# Altium PCB PCB1.PcbDoc (part 3 of 3)
Units mm, origin at the board's own origin, x right, y up, seen from the top; angles counter-clockwise.
Board outline 92.46 x 92.46 mm, 2 copper layers (Top Layer, Bottom Layer); 132 components, 140 nets, 526 pads, 112 vias.
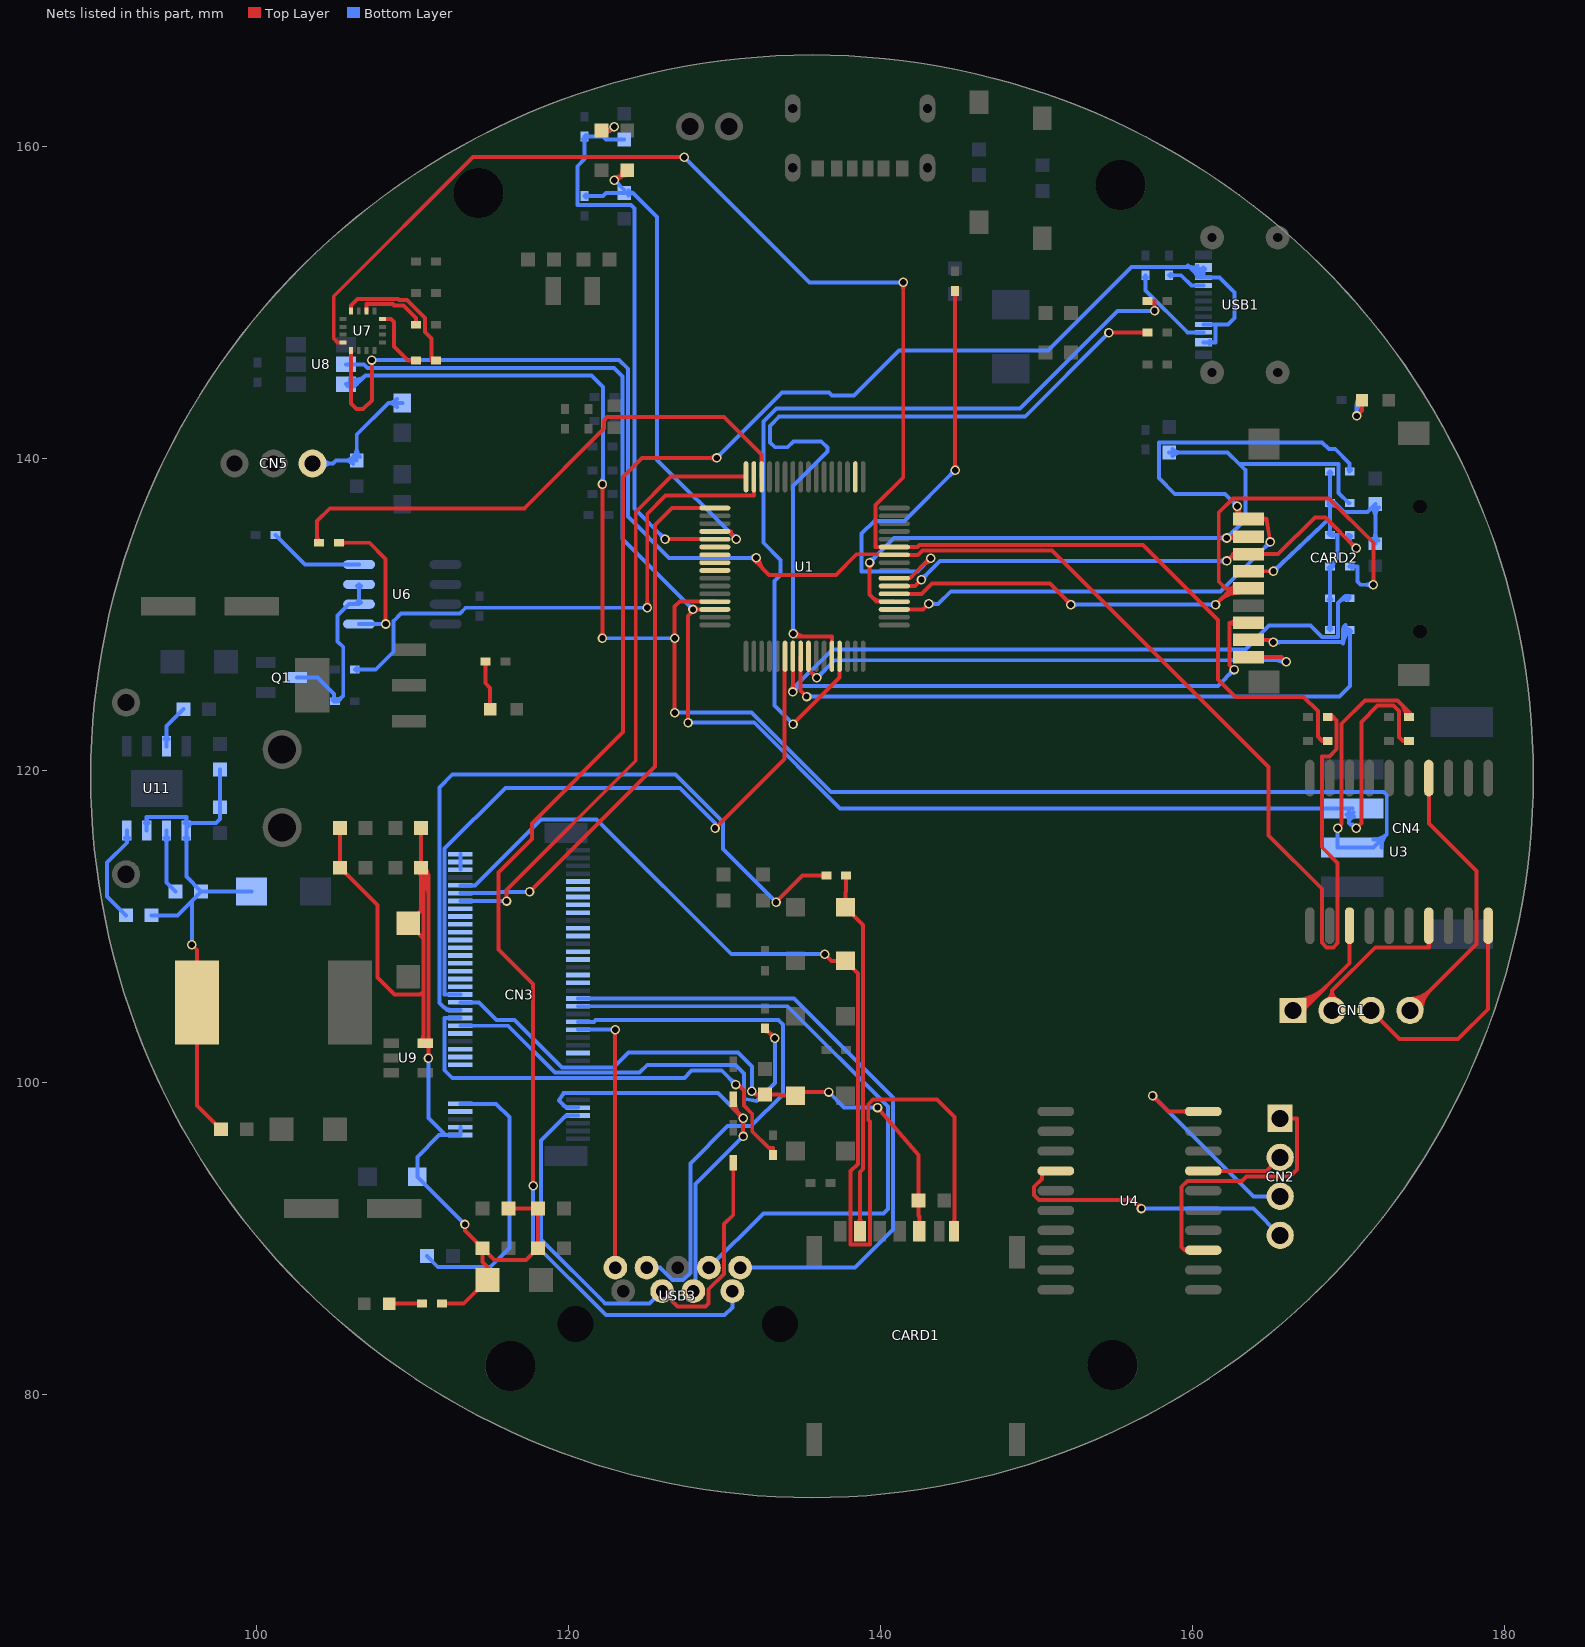
[diagram p3: the nets of this part, all layers, seen from the top]

## Via types
v1: diameter 0.61, hole 0.406, Top Layer to Bottom Layer, 111 vias
v2: diameter 1.016, hole 0.711, Top Layer to Bottom Layer, 1 vias

## Nets (pads, with @x,y where several pads share a name; then routed paths per layer and width w, separated by ;. In a path a pad name is that pad's centre, name@x,y a point inside that pad or via, vN(x,y) a via of type N, cw(c..) or ccw(c..) an arc to the next point about the centre after c; other vN are vias at no path point) (continued)
NetC34_1: C34.1 U7.12 | length 8.9
  Top Layer w0.254: U7.12@106.057,149.472 106.057,149.835 106.463,150.241 109.072,150.241 109.144,150.169 109.648,150.169 110.795,149.022 110.795,148.133 111.227,147.701 111.227,146.304 C34.1@111.506,146.304
NetC34_2: C34.2 U7.8 | length 4.7
  Top Layer w0.254: U7.8@108.07,148.959 108.61,148.959 108.805,148.764 108.805,147.21 109.711,146.304 C34.2@110.236,146.304 ; C34.2@110.083,146.214 ccw(c109.866,145.997) 109.866,146.304 ccw(c109.866,146.611) C34.2@110.083,146.394
NetC35_1: C35.1 U7.10 | length 4.9
  Top Layer w0.254: U7.10@107.057,149.472 107.057,149.911 108.741,149.911 108.814,149.839 109.419,149.839 110.236,149.022 C35.1@110.236,148.594 ; C35.1@110.146,148.684 ccw(c109.929,148.901) 110.236,148.901 ; 110.236,148.9 ccw(c110.542,148.9) C35.1@110.326,148.684
NetC39_2: C39.2 CARD2.4 L2.2 R40.2 R41.2 R42.2 R43.2 R44.2 R45.2 | length 33
  Top Layer w0.254: CARD2.4@163.576,132.794 v1(165.179,132.794)
  Bottom Layer w0.254: v1(165.179,132.794) 168.793,136.195 ; v1@165.185,132.972 ccw(c165.198,133.401) 165.492,133.088 ccw(c165.786,132.776) v1@165.357,132.789 ; R40.2@168.706,129.122 ccw(c168.489,129.339) 168.796,129.339 ccw(c169.102,129.339) R40.2@168.886,129.122 ; R41.2@168.706,130.974 cw(c168.489,130.757) 168.796,130.757 cw(c169.102,130.757) R41.2@168.886,130.974 ; R42.2@168.706,133.006 cw(c168.489,132.789) 168.796,132.789 cw(c169.102,132.789) R42.2@168.886,133.006 ; R43.2@168.706,135.218 ccw(c168.496,135.427) 168.793,135.427 ; R44.2@168.706,137.07 cw(c168.489,136.853) 168.796,136.853 cw(c169.102,136.853) R44.2@168.886,137.07 ; R44.2@168.706,137.07 cw(c168.488,136.854) 168.795,136.853 cw(c169.101,136.852) R44.2@168.885,137.07 ; R44.2@168.706,137.25 ccw(c168.489,137.467) 168.796,137.467 ccw(c169.102,137.467) R44.2@168.886,137.25 ; R45.2@168.706,139.102 cw(c168.489,138.885) 168.796,138.885 cw(c169.102,138.885) R45.2@168.886,139.102 ; 168.793,135.442 ccw(c169.109,135.442) R43.2@168.886,135.218 ; R40.2@168.796,129.032 R41.2@168.796,131.064 R42.2@168.796,133.096 169.295,133.595 169.295,135.128 R43.2@168.796,135.128 168.793,135.128 168.793,136.195 ; R45.2@168.796,139.192 R44.2@168.796,137.16 ; R44.2@168.859,137.033 cw(c168.859,136.052) 169.553,136.746 ; R44.2@168.859,137.287 cw(c168.859,136.919) 169.119,137.179 ; R43.2@168.949,135.038 cw(c169.166,134.821) 169.166,135.128 cw(c169.166,135.435) R43.2@168.949,135.218 ; R42.2@168.986,133.096 cw(c169.446,133.096) 169.121,133.421 ; C39.2@171.479,136.872 cw(c170.937,136.33) 171.704,136.33 cw(c172.471,136.33) C39.2@171.929,136.872 ; L2.2@171.511,134.751 ccw(c171.045,135.217) 171.704,135.217 ccw(c172.363,135.217) L2.2@171.897,134.751 ; L2.2@171.704,134.558 C39.2@171.704,137.096 171.209,136.601 169.697,136.601 169.139,137.16 R44.2@168.796,137.16 ; 168.793,136.195 168.796,136.198 R44.2@168.796,137.16 ; 168.793,136.195 R44.2@168.796,137.16
NetC40_1: C40.1 U11.6 | length 4.8
  Bottom Layer w0.254: U11.6@94.112,115.7 cw(c93.816,115.404) 94.234,115.404 cw(c94.652,115.404) U11.6@94.356,115.7 ; U11.6@94.234,116.172 94.234,112.84 C40.1@94.805,112.268
NetC40_2: C40.2 C41.1 D10.1 L3.1 R46.2 R48.1 R49.2 U11.5 U11.7 | length 39.6
  Top Layer w0.254: v1(95.86,108.867) 96.192,108.534 L3.1@96.192,105.156 96.192,98.562 C41.1@97.727,97.028
  Bottom Layer w0.254: U11.7@92.842,116.644 ccw(c92.546,116.94) 92.964,116.94 ccw(c93.382,116.94) U11.7@93.086,116.644 ; U11.7@92.964,116.172 92.964,117.043 95.504,117.043 U11.5@95.504,116.332 ; R46.2@93.281,110.744 94.932,110.744 95.86,111.671 ; U11.5@95.382,115.7 cw(c95.086,115.404) 95.504,115.404 cw(c95.922,115.404) U11.5@95.626,115.7 ; U11.5@95.382,116.644 ccw(c95.086,116.94) 95.504,116.94 ccw(c95.922,116.94) U11.5@95.626,116.644 ; v1(95.86,108.867) 95.86,111.671 ; R49.2@97.663,120.078 R48.1@97.663,117.665 97.663,116.916 97.409,116.662 95.834,116.662 U11.5@95.504,116.332 ; D10.1@99.677,112.268 C40.2@96.456,112.268 ; U11.5@95.504,116.172 U11.5@95.504,116.332 ; U11.5@95.504,116.172 95.504,113.221 C40.2@96.456,112.268 ; U11.5@95.504,116.172 U11.5@95.504,116.332 ; 95.86,111.671 C40.2@96.456,112.268 ; 95.86,111.671 C40.2@96.456,112.268
NetCARD1_C7: CARD1.C7 D9.1 R28.2 | length 24.9
  Top Layer w0.254: R28.2@137.705,113.194 cw(c137.488,112.977) 137.795,112.977 cw(c138.102,112.977) R28.2@137.885,113.194 ; R28.2@137.795,113.284 137.795,112.268 137.744,112.217 D9.1@137.744,111.252 138.877,110.119 138.877,94.498 138.68,94.3 CARD1.C7@138.68,90.492 ; CARD1.C7@138.487,90.935 ccw(c138.021,91.401) 138.68,91.401 ccw(c139.339,91.401) CARD1.C7@138.873,90.935
NetCN3_70: CN3.70 CN3.72 CN3.74 | length 1
  Bottom Layer w0.254: CN3.70@113.065,113.664 CN3.72@113.065,114.164 CN3.74@113.065,114.664
NetCN5_1: CN5.1 R33.1 R36.2 | length 15
  Bottom Layer w0.254: CN5.1@103.592,139.7 104.902,139.7 ; CN5.1@103.891,139.464 cw(c104.378,139.08) 104.378,139.7 cw(c104.378,140.32) CN5.1@103.891,139.936 ; CN5.1@104.09,139.307 cw(c104.902,138.666) 104.902,139.7 ; CN5.1@104.09,140.093 ccw(c104.902,140.734) 104.902,139.7 ; R33.1@106.201,139.666 ccw(c105.659,139.124) 105.659,139.891 ccw(c105.659,140.657) 106.201,140.115 ccw(c105.659,140.657) 106.426,140.657 ccw(c107.193,140.657) R33.1@106.651,140.115 ; R36.2@108.993,143.309 ccw(c108.458,142.906) 108.458,143.576 ; R36.2@108.993,143.843 cw(c108.458,144.246) 108.458,143.576 ; R36.2@109.347,143.576 108.458,143.576 ; 104.902,139.7 105.093,139.891 R33.1@106.426,139.891 106.426,141.544 108.458,143.576
NetLED1_1: LED1.1 R14.1 | length 4.3
  Top Layer w0.254: v1(170.51,142.748) 170.853,143.091 LED1.1@170.853,143.764
  Bottom Layer w0.254: v1@170.384,142.874 ccw(c170.081,143.177) 170.51,143.177 ccw(c170.939,143.177) v1@170.636,142.874 ; v1(170.51,142.748) 170.51,143.459 R14.1@170.815,143.764 ; v1@170.51,142.875 cw(c171.641,142.875) R14.1@170.841,143.674 ; 170.51,143.488 cw(c171.027,143.488) R14.1@170.662,143.854
NetLED4_1: LED4.1 R20.2 | length 3.7
  Top Layer w0.254: R20.2@114.591,126.91 cw(c114.374,126.693) 114.681,126.693 cw(c114.988,126.693) R20.2@114.771,126.91 ; R20.2@114.681,127 114.681,125.616 114.973,125.324 LED4.1@114.973,123.952
NetLED5_2: LED5.2 R24.2 | length 2.6
  Top Layer w0.254: LED5.2@108.495,85.855 109.55,85.855 109.554,85.852 R24.2@110.617,85.852 ; R24.2@110.464,85.762 ccw(c110.247,85.545) 110.247,85.852 ccw(c110.247,86.159) R24.2@110.464,85.942
NetQ1_3: Q1.3 R30.1 U6.2 U6.3 | length 14.5
  Bottom Layer w0.254: Q1.3@102.6,125.984 103.911,125.984 104.978,124.917 104.978,124.46 R30.1@105.029,124.46 105.219,124.46 105.562,124.803 105.562,127.94 105.207,128.295 105.207,129.972 105.918,130.683 U6.2@106.575,130.683 U6.3@106.575,131.953 ; R30.1@104.876,124.55 ccw(c104.628,124.797) 104.978,124.797 ; 104.978,124.736 ccw(c105.241,124.736) R30.1@105.055,124.55 ; R30.1@105.093,124.587 ccw(c105.093,125.2) 105.526,124.767 ; U6.2@106.456,130.801 ccw(c106.171,131.086) 106.575,131.086 ccw(c106.978,131.086) U6.2@106.693,130.801 ; U6.3@106.456,131.835 cw(c106.171,131.55) 106.575,131.55 cw(c106.978,131.55) U6.3@106.693,131.835
NetR10_2: R10.2 USB1.4 | length 3
  Bottom Layer w0.254: R10.2@158.496,151.765 159.263,151.765 159.918,151.11 USB1.4@160.693,151.11 ; R10.2@158.586,151.675 cw(c158.803,151.458) 158.803,151.765 cw(c158.803,152.072) R10.2@158.586,151.855
NetR11_2: R11.2 USB1.10 | length 6.3
  Bottom Layer w0.254: R11.2@156.882,151.612 cw(c156.665,151.395) 156.972,151.395 cw(c157.279,151.395) R11.2@157.062,151.612 ; R11.2@156.972,151.765 156.972,150.8 159.662,148.11 USB1.10@160.693,148.11
NetR29_2: R29.2 U6.1 | length 9.8
  Top Layer w0.254: R29.2@105.283,134.62 107.239,134.62 108.28,133.579 v1(108.28,129.413) ; R29.2@105.436,134.53 cw(c105.653,134.313) 105.653,134.62 cw(c105.653,134.927) R29.2@105.436,134.71
  Bottom Layer w0.254: U6.1@106.575,129.413 v1(108.28,129.413)
NetR31_2: R31.2 U6.4 | length 6.1
  Bottom Layer w0.254: R31.2@101.219,135.128 103.124,133.223 U6.4@106.575,133.223
NetR46_1: R46.1 U11.8 | length 7.1
  Bottom Layer w0.254: U11.8@91.572,115.7 cw(c91.276,115.404) 91.694,115.404 cw(c92.112,115.404) U11.8@91.816,115.7 ; R46.1@91.63,110.744 90.424,111.95 90.424,114.122 91.694,115.392 U11.8@91.694,116.172
NetR47_2: R47.2 U11.3 | length 3.5
  Bottom Layer w0.254: U11.3@94.112,122.044 ccw(c93.816,122.34) 94.234,122.34 ccw(c94.652,122.34) U11.3@94.356,122.044 ; U11.3@94.234,121.572 94.234,122.872 R47.2@95.313,123.952
O1: CN1.1 U3.3 | length 12.9
  Top Layer w0.254: CN1.1@166.43,104.648 167.03,104.648 170.053,107.671 U3.3@170.053,110.078 ; CN1.1@166.505,104.813 ccw(c166.505,106.48) 167.684,105.301 ; CN1.1@166.505,105.067 ccw(c166.505,107.347) 168.117,105.735 ; CN1.1@166.505,105.321 ccw(c166.505,108.214) 168.551,106.168 ; CN1.1@167.178,104.648 cw(c167.534,104.648) CN1.1@167.282,104.9
O2: CN1.2 U3.7 | length 12.1
  Top Layer w0.254: CN1.2@168.569,105.303 ccw(c168.233,105.914) 168.93,105.914 ; CN1.2@168.93,104.648 168.93,105.914 ; CN1.2@169.291,105.303 cw(c169.628,105.914) 168.93,105.914 ; U3.7@175.012,109.075 cw(c174.721,108.784) 175.133,108.784 cw(c175.545,108.784) U3.7@175.254,109.075 ; U3.7@175.133,110.078 175.133,108.687 171.703,108.687 168.93,105.914
O3: CN1.3 U3.10 | length 14.4
  Top Layer w0.254: CN1.3@171.43,104.648 173.259,102.819 177.013,102.819 178.943,104.75 U3.10@178.943,110.078
O4: CN1.4 U3.14 | length 22.6
  Top Layer w0.254: CN1.4@173.93,104.648 178.181,108.899 178.181,113.589 175.133,116.637 U3.14@175.133,119.538 ; CN1.4@173.93,105.142 ccw(c173.93,106.335) 174.773,105.491 ccw(c175.617,104.648) CN1.4@174.424,104.648 ; CN1.4@173.93,105.396 ccw(c173.93,107.202) 175.207,105.925 ccw(c176.484,104.648) CN1.4@174.678,104.648
O5: CN2.1 U4.3 | length 18
  Top Layer w0.254: U4.3@159.661,89.187 ccw(c159.487,89.072) 159.487,89.281 ; U4.3@159.661,89.375 cw(c159.487,89.49) 159.487,89.281 ; U4.3@160.686,89.281 159.487,89.281 ; CN2.1@165.608,97.73 166.7,97.73 166.7,94.463 166.243,94.005 163.449,94.005 163.17,93.726 159.664,93.726 159.283,93.345 159.283,89.484 159.487,89.281
O6: CN2.2 U4.7 | length 5.3
  Top Layer w0.254: U4.7@160.686,94.361 164.739,94.361 CN2.2@165.608,95.23
O7: CN2.3 U4.10 | length 15.9
  Top Layer w0.254: v1@157.429,99.009 cw(c157.429,98.58) 157.733,98.883 cw(c158.036,99.187) v1@157.607,99.187 ; v1(157.429,99.187) 158.445,98.171 U4.10@160.686,98.171 ; U4.10@159.683,98.05 ccw(c159.392,97.759) 159.392,98.171 ccw(c159.392,98.583) U4.10@159.683,98.292
  Bottom Layer w0.254: v1(157.429,99.187) 163.886,92.73 CN2.3@165.608,92.73
O8: CN2.4 U4.14 | length 20.1
  Top Layer w0.254: U4.14@151.226,94.361 150.343,94.361 150.343,93.845 149.843,93.345 149.843,92.829 150.165,92.507 156.159,92.507 v1(156.718,91.948) ; v1@156.54,91.948 ccw(c156.111,91.948) 156.414,92.252 ccw(c156.718,92.555) v1@156.718,92.126
  Bottom Layer w0.254: v1(156.718,91.948) 163.89,91.948 CN2.4@165.608,90.23
PA4-X5: C38.1 R35.2 R39.2 U1.20 | length 35.8
  Top Layer w0.254: v1(122.936,157.861) 123.126,157.861 R39.2@123.761,158.496 ; v1@122.936,158.039 ccw(c122.936,158.928) R39.2@123.565,158.299 ; R39.2@123.444,158.496 cw(c122.677,158.496) 123.219,157.954 cw(c123.761,157.412) R39.2@123.761,158.178 ; U1.20@129.378,135.346 130.429,135.346 130.429,135.179 v1(130.759,134.849)
  Bottom Layer w0.254: C38.1@121.031,156.845 122.199,156.845 122.39,157.035 R35.2@123.571,157.035 ; C38.1@121.121,156.755 cw(c121.338,156.538) 121.338,156.845 cw(c121.338,157.152) C38.1@121.121,156.935 ; v1(122.936,157.861) 123.571,157.226 R35.2@123.571,157.035 ; R35.2@123.84,156.866 cw(c124.146,156.674) 124.146,157.035 ; R35.2@123.84,157.205 ccw(c124.146,157.397) 124.146,157.035 ; v1@130.581,134.849 ccw(c130.152,134.849) 130.456,135.152 ccw(c130.759,135.456) v1@130.759,135.026 ; v1(130.759,134.849) 125.679,139.929 125.679,155.502 124.146,157.035 ; R35.2@123.571,157.035 124.146,157.035
PA5-X6: C37.1 R34.2 R38.2 U1.21 | length 41
  Top Layer w0.254: R38.2@122.111,161.036 122.641,161.036 ; R38.2@122.39,160.886 cw(c122.641,160.751) 122.641,161.036 ; R38.2@122.39,161.186 ccw(c122.641,161.321) 122.641,161.036 ; v1(122.936,161.29) 122.641,161.036 ; v1(126.187,134.846) U1.21@129.378,134.846
  Bottom Layer w0.254: C37.1@120.941,160.502 cw(c120.724,160.285) 121.031,160.285 cw(c121.338,160.285) C37.1@121.121,160.502 ; C37.1@121.121,160.565 cw(c121.338,160.348) 121.338,160.655 cw(c121.338,160.962) C37.1@121.121,160.745 ; v1@122.759,161.303 cw(c122.331,161.335) 122.611,161.01 cw(c122.891,160.685) v1@122.923,161.113 ; v1(122.936,161.29) 122.199,160.655 ; R34.2@123.571,160.464 122.39,160.464 122.199,160.655 ; v1@126.009,134.846 ccw(c125.58,134.846) 125.884,135.15 ccw(c126.187,135.453) v1@126.187,135.024 ; v1(126.187,134.846) 124.231,136.802 124.231,156.032 124.003,156.261 120.574,156.261 120.574,158.75 121.031,159.207 C37.1@121.031,160.655 122.199,160.655
PA6-X7: U1.22
PA7-X8: U1.23
PA11-DM: R9.1 U1.44 | length 50.5
  Top Layer w0.254: v1(134.391,128.778) 134.569,128.6 136.878,128.6 U1.44@136.878,127.346 ; v1@134.517,128.904 ccw(c135.25,129.636) 135.25,128.6 ; v1(154.635,148.082) R9.1@157.099,148.082 ; R9.1@156.946,147.992 ccw(c156.729,147.775) 156.729,148.082 ccw(c156.729,148.389) R9.1@156.946,148.172
  Bottom Layer w0.254: v1@134.266,128.904 ccw(c133.962,129.207) 134.391,129.207 ccw(c134.821,129.207) v1@134.517,128.904 ; v1(134.391,128.778) 134.391,138.246 136.601,140.455 136.601,140.716 136.195,141.122 134.417,141.122 134.036,140.741 133.223,140.741 132.918,141.046 132.918,142.113 133.502,142.697 149.25,142.697 v1(154.635,148.082)
PA11-DP: R12.1 U1.45 | length 55.7
  Top Layer w0.254: v1(134.388,122.994) 137.378,125.984 U1.45@137.378,127.346 ; R12.1@157.099,150.114 157.556,150.114 v1(157.556,149.479) ; R12.1@157.252,150.024 cw(c157.469,149.807) 157.469,150.114 cw(c157.469,150.421) R12.1@157.252,150.204
  Bottom Layer w0.254: v1(134.388,122.994) 133.198,124.185 133.198,132.18 133.579,132.561 133.579,133.528 132.486,134.62 132.486,142.392 133.325,143.231 148.946,143.231 155.194,149.479 v1(157.556,149.479)
PCIE_CLKREQ_N: CN3.52
PCIE_REFCLK_M: CN3.53
PCIE_REFCLK_P: CN3.55
PCIE_RST_N: CN3.50
PCIE_RX_M: CN3.47
PCIE_RX_P: CN3.49
PCIE_TX_M: CN3.41
PCIE_TX_P: CN3.43
PCIE_WAKE_N: CN3.54
PCM_CLK: 
PCM_DIN: CN3.22
PCM_DOUT: CN3.24
PCM_LCK: CN3.20
PCM_SYNC: CN3.28
RESET#: CN3.67
RFFE_CLK: CN3.56
RFFE_DATA: CN3.58
RFFE_VIO_1V8: CN3.65
SDIO_CK: CARD2.5 R42.1 U1.53 | length 55.4
  Top Layer w0.254: U1.53@140.878,131.346 142.628,131.346 143.282,132 150.854,132 v1(152.197,130.658) ; v1@152.019,130.658 ccw(c151.59,130.658) 151.893,130.961 ccw(c152.197,131.265) v1@152.197,130.835 ; v1(161.468,130.658) 162.504,131.694 ; 161.705,130.895 cw(c162.976,129.623) CARD2.5@162.976,131.421 ; 162.138,131.328 cw(c162.976,130.491) CARD2.5@162.976,131.675 ; 162.269,131.458 cw(c162.549,131.178) CARD2.5@162.802,131.484 ; 162.466,131.656 cw(c162.728,131.394) CARD2.5@162.964,131.68 ; 162.572,131.762 cw(c162.976,131.358) CARD2.5@162.976,131.929 ; CARD2.5@162.783,131.501 ccw(c162.317,131.035) 162.317,131.694 ccw(c162.317,132.353) CARD2.5@162.783,131.887 ; CARD2.5@163.576,131.694 162.504,131.694 ; v1(171.577,131.928) 171.577,134.62 168.732,137.465 162.585,137.465 161.671,136.55 161.671,132.126 162.103,131.694 162.504,131.694 ; 162.504,131.694 ccw(c162.504,131.965) 162.739,131.83 cw(c162.504,131.965) 162.504,131.694 ; 162.504,131.694 cw(c162.504,131.423) 162.739,131.558 ccw(c162.504,131.423) 162.504,131.694
  Bottom Layer w0.254: v1(152.197,130.658) v1(161.468,130.658) ; v1@152.323,130.532 cw(c152.626,130.228) 152.626,130.658 cw(c152.626,131.087) v1@152.323,130.783 ; v1@161.342,130.532 ccw(c161.039,130.228) 161.039,130.658 ccw(c161.039,131.087) v1@161.342,130.783 ; R42.1@170.066,133.096 170.561,133.096 170.561,132.131 170.764,131.928 v1(171.577,131.928) ; R42.1@170.219,133.006 cw(c170.436,132.789) 170.436,133.096 cw(c170.436,133.403) R42.1@170.219,133.186 ; v1@171.451,131.802 ccw(c171.148,131.498) 171.148,131.928 ccw(c171.148,132.357) v1@171.451,132.053
SDIO_CMD: CARD2.3 R43.1 U1.54 | length 37.4
  Top Layer w0.254: U1.54@140.878,131.846 142.215,131.846 v1(142.621,132.252) ; v1(162.179,133.452) 162.573,133.845 162.573,133.894 ; v1@162.388,133.661 cw(c162.912,133.137) CARD2.3@162.974,133.875 ; 162.395,133.668 cw(c162.607,133.456) CARD2.3@162.8,133.685 ; CARD2.3@162.723,133.793 ccw(c162.573,133.733) 162.573,133.894 ; CARD2.3@162.723,133.996 cw(c162.573,134.056) 162.573,133.894 ; v1(170.485,134.264) 168.504,136.246 167.832,136.246 165.481,133.894 CARD2.3@163.576,133.894 162.573,133.894
  Bottom Layer w0.254: v1(142.621,132.252) 143.82,133.452 v1(162.179,133.452) ; v1@142.621,132.43 ccw(c142.621,132.86) 142.925,132.556 ccw(c143.228,132.252) v1@142.799,132.252 ; v1@162.053,133.326 ccw(c161.75,133.022) 161.75,133.452 ccw(c161.75,133.881) v1@162.053,133.577 ; R43.1@169.951,135.128 R43.1@170.066,135.128 170.066,134.683 v1(170.485,134.264) ; R43.1@169.976,135.038 cw(c169.759,134.821) 170.066,134.821 cw(c170.372,134.821) R43.1@170.156,135.038 ; v1@170.307,134.264 ccw(c169.878,134.264) 170.181,134.568 ccw(c170.485,134.871) v1@170.485,134.442
SDIO_D0: CARD2.7 R41.1 U1.39 | length 80.6
  Top Layer w0.254: v1@134.24,125.182 ccw(c133.908,125.514) 134.378,125.514 ; v1(134.366,125.056) 134.378,125.068 U1.39@134.378,127.346 ; 134.378,125.457 ccw(c134.766,125.457) v1@134.492,125.182 ; v1(162.662,126.492) 162.357,126.797 162.357,129.494 ; CARD2.7@162.775,129.31 ccw(c162.357,128.928) 162.357,129.494 ; CARD2.7@162.775,129.678 cw(c162.357,130.06) 162.357,129.494 ; CARD2.7@163.576,129.494 162.357,129.494
  Bottom Layer w0.254: v1@134.544,125.056 cw(c135.435,125.056) 134.805,125.686 ; v1@162.484,126.492 cw(c162.055,126.492) 162.358,126.188 cw(c162.662,125.885) v1@162.662,126.314 ; v1(162.662,126.492) 161.62,125.451 134.76,125.451 v1(134.366,125.056) 134.366,125.247 136.906,127.787 163.373,127.787 164.897,129.311 167.538,129.311 168.275,128.575 169.316,128.575 169.316,130.759 169.621,131.064 R41.1@170.066,131.064 ; 169.431,130.874 cw(c169.74,130.564) R41.1@169.943,130.952 ; 169.569,131.011 cw(c170.002,130.578) R41.1@170.002,131.191 ; 169.675,131.118 cw(c169.908,130.884) R41.1@170.061,131.176 ; R41.1@169.912,130.974 ccw(c169.696,130.757) 169.696,131.064 ccw(c169.696,131.371) R41.1@169.912,131.154
SDIO_D1: CARD2.8 R40.1 U1.40 | length 52.5
  Top Layer w0.254: U1.40@134.878,127.346 134.878,125.139 v1(135.252,124.765) ; CARD2.8@163.576,128.394 165.021,128.394 v1(165.171,128.245)
  Bottom Layer w0.254: v1(135.252,124.765) 169.418,124.765 170.078,125.425 170.078,129.032 R40.1@170.066,129.032 169.647,129.032 169.647,128.245 v1(165.171,128.245) ; v1@135.378,124.639 cw(c135.681,124.336) 135.681,124.765 cw(c135.681,125.194) v1@135.378,124.891 ; v1@165.296,128.119 cw(c165.6,127.815) 165.6,128.245 cw(c165.6,128.674) v1@165.296,128.37 ; 169.647,128.168 cw(c170.534,128.168) R40.1@170.069,128.924 ; 169.647,128.623 cw(c170.254,128.623) R40.1@169.936,129.14 ; 169.647,129.077 cw(c169.974,129.077) 169.802,129.356 ; R40.1@169.976,128.942 cw(c169.728,128.695) 170.078,128.695 ; 170.078,128.756 cw(c170.342,128.756) R40.1@170.156,128.942
SDIO_D2: CARD2.1 R45.1 U1.51 | length 56.1
  Top Layer w0.254: U1.51@140.878,130.346 142.716,130.346 v1(143.078,130.708) ; v1@162.739,136.831 cw(c162.436,136.528) 162.865,136.528 cw(c163.294,136.528) v1@162.991,136.831 ; CARD2.1@163.167,136.392 cw(c163.544,136.957) v1(162.865,136.957) 162.865,136.144 CARD2.1@163.576,136.144 164.744,136.144 ; CARD2.1@164.39,135.966 cw(c164.744,135.703) 164.744,136.144 ; CARD2.1@164.39,136.322 ccw(c164.744,136.586) 164.744,136.144 ; v1(164.973,134.671) 164.744,136.144
  Bottom Layer w0.254: v1(143.078,130.708) 143.099,130.688 143.688,130.688 144.496,131.496 161.798,131.496 v1(164.973,134.671) ; v1@143.204,130.583 cw(c143.458,130.329) 143.458,130.688 ; v1@143.204,130.834 ccw(c143.557,131.187) 143.557,130.688 ; v1@162.687,136.957 ccw(c162.258,136.957) 162.561,137.26 ccw(c162.865,137.564) v1@162.865,137.135 ; v1(162.865,136.957) 162.077,137.744 158.852,137.744 157.836,138.76 157.836,141.046 168.3,141.046 168.732,140.614 169.139,140.614 170.053,139.7 170.053,139.192 R45.1@170.066,139.192 ; v1@164.795,134.671 cw(c164.366,134.671) 164.669,134.367 cw(c164.973,134.064) v1@164.973,134.493 ; R45.1@169.976,139.282 ccw(c169.79,139.468) 170.053,139.468 ; 170.053,139.529 ccw(c170.403,139.529) R45.1@170.156,139.282
SDIO_D3: CARD2.2 R21.2 R44.1 U1.52 | length 55.2
  Top Layer w0.254: v1@139.168,133.224 cw(c138.864,132.921) 139.294,132.921 cw(c139.723,132.921) v1@139.419,133.224 ; v1(139.294,133.35) 139.294,131.303 139.751,130.846 U1.52@140.878,130.846 ; 139.516,131.081 ccw(c140.028,131.593) U1.52@140.028,130.869 ; v1(162.179,134.925) 162.248,134.994 CARD2.2@163.576,134.994 ; v1@162.305,134.799 cw(c162.776,134.328) CARD2.2@162.776,134.994 ; CARD2.2@162.783,134.801 ccw(c162.317,134.335) 162.317,134.994 ccw(c162.317,135.653) CARD2.2@162.783,135.187
  Bottom Layer w0.254: v1(139.294,133.35) 140.868,134.925 v1(162.179,134.925) 163.373,136.119 163.373,139.268 162.985,139.656 ; v1@139.294,133.528 ccw(c139.294,133.957) 139.597,133.654 ccw(c139.901,133.35) v1@139.471,133.35 ; R21.2@158.496,140.398 162.243,140.398 ; R21.2@158.721,140.174 cw(c159.263,139.632) 159.263,140.398 cw(c159.263,141.165) R21.2@158.721,140.623 ; v1@162.053,134.799 ccw(c161.75,134.496) 161.75,134.925 ccw(c161.75,135.354) v1@162.053,135.051 ; v1@162.179,135.103 ccw(c162.179,135.532) 162.483,135.228 ccw(c162.786,134.925) v1@162.357,134.925 ; R44.1@170.066,137.16 170.002,137.16 169.348,137.814 169.348,139.656 162.985,139.656 ; 162.243,140.398 162.985,139.656 ; 162.243,140.398 162.985,139.656
SDIO_SW: CARD2.9 U1.41 | length 36.8
  Top Layer w0.254: U1.41@135.378,127.346 135.378,126.496 v1(135.915,125.959) ; v1@135.738,125.959 ccw(c135.308,125.959) 135.612,126.262 ccw(c135.915,126.566) v1@135.915,126.136 ; CARD2.9@163.576,127.294 165.706,127.294 v1(166,127)
  Bottom Layer w0.254: v1(135.915,125.959) 137.046,127.089 165,127.089 ; v1@135.915,126.136 ccw(c135.915,126.566) 136.219,126.262 ccw(c136.522,125.959) v1@136.093,125.959 ; 165.125,127.089 165,127.089 ; 165.356,127.089 cw(c165.356,126.356) v1@165.874,126.874 ; v1(166,127) 165.911,127.089 165,127.089
SPI_CLK: CN3.61
SPI_CS: CN3.59
SPI_DI: CN3.60
SPI_DO: CN3.63
UART4_RX: R32.1 U1.15 | length 37.2
  Top Layer w0.254: v1@124.918,130.58 ccw(c124.615,130.884) 125.044,130.884 ccw(c125.473,130.884) v1@125.17,130.58 ; v1(125.044,130.454) 125.044,136.474 126.213,137.643 131.878,137.643 U1.15@131.878,138.846
  Bottom Layer w0.254: R32.1@106.299,126.492 107.645,126.492 108.788,127.635 108.788,129.591 109.271,130.073 113.03,130.073 113.411,130.454 v1(125.044,130.454) ; R32.1@106.452,126.402 cw(c106.669,126.185) 106.669,126.492 cw(c106.669,126.799) R32.1@106.452,126.582
UART4_TX: R29.1 U1.14 | length 35.9
  Top Layer w0.254: 103.886,135.08 ccw(c104.409,135.08) R29.1@104.039,134.71 ; R29.1@104.013,134.62 103.886,134.62 103.886,136.017 104.699,136.83 117.17,136.83 122.276,141.935 122.276,142.469 122.479,142.672 129.972,142.672 132.378,140.266 U1.14@132.378,138.846
UART_RXD: CN3.62 U1.16 | length 39.4
  Top Layer w0.254: v1(116.027,111.658) 116.027,112.37 124.308,120.65 124.308,136.601 126.568,138.862 131.378,138.862 U1.16@131.378,138.846
  Bottom Layer w0.254: CN3.62@113.065,111.664 116.022,111.664 v1(116.027,111.658)
UART_TXD: CN3.64 U1.17 | length 35.6
  Top Layer w0.254: v1(117.5,112.243) 125.552,120.294 125.552,135.763 126.635,136.846 U1.17@129.378,136.846
  Bottom Layer w0.254: CN3.64@113.065,112.164 115.545,112.164 115.623,112.243 v1(117.5,112.243)
USB_DM: CN3.9 D3.2 USB3.2 | length 33.3
  Top Layer w0.254: D3.2@130.42,98.711 ccw(c130.904,98.711) 130.562,98.368 ; D3.2@130.556,98.958 130.556,98.374 v1(131.191,97.739) v1(131.191,96.571) ; D3.2@130.674,98.711 ccw(c131.772,98.711) v1@130.996,97.935 ; v1@131.013,97.739 ccw(c130.584,97.739) 130.887,98.043 ccw(c131.191,98.346) v1@131.191,97.917 ; v1@131.065,96.697 ccw(c130.762,97) 131.191,97 ccw(c131.62,97) v1@131.317,96.697 ; v1@131.065,97.613 cw(c130.762,97.31) 131.191,97.31 cw(c131.62,97.31) v1@131.317,97.613 ; 130.556,98.426 ccw(c130.271,98.426) 130.473,98.627 cw(c130.271,98.426) 130.556,98.426 ; 130.556,98.426 cw(c130.841,98.426) 130.639,98.627 ccw(c130.841,98.426) 130.556,98.426
  Bottom Layer w0.254: 119.69,98.561 ccw(c119.99,98.861) CN3.9@119.99,98.437 ; CN3.9@120.615,98.414 119.837,98.414 119.38,98.871 119.691,99.346 129.584,99.346 v1(131.191,97.739) ; USB3.2@128,86.66 128,87.08 128.133,87.08 128.133,93.513 v1(131.191,96.571) ; v1@131.013,97.739 ccw(c130.584,97.739) 130.887,98.043 ccw(c131.191,98.346) v1@131.191,97.917
USB_DP: CN3.7 D2.2 USB3.3 | length 33.1
  Top Layer w0.254: USB3.3@126,86.66 126.986,85.674 128.778,85.674 128.981,85.877 128.981,86.776 129.965,87.76 129.965,90.951 130.556,91.542 D2.2@130.556,94.894 ; D2.2@130.473,94.563 cw(c130.271,94.362) 130.556,94.362 cw(c130.841,94.362) D2.2@130.639,94.563
  Bottom Layer w0.254: 119.685,97.765 cw(c119.99,97.459) CN3.7@119.99,97.891 ; CN3.7@120.615,97.914 119.834,97.914 118.237,96.317 118.237,89.967 122.352,85.852 125.192,85.852 USB3.3@126,86.66
USB_SS_RX_M: CN3.35 USB3.8 | length 42.1
  Bottom Layer w0.254: CN3.35@120.615,104.914 134.037,104.914 140.462,98.489 140.462,91.923 140.183,91.643 132.483,91.643 USB3.8@129,88.16
USB_SS_RX_P: CN3.37 USB3.9 | length 42.1
  Bottom Layer w0.254: CN3.37@120.615,105.414 134.438,105.414 140.792,99.06 140.792,90.602 138.35,88.16 USB3.9@131,88.16
USB_SS_TX_M: CN3.29 USB3.5 | length 17.6
  Top Layer w0.254: v1(122.987,103.414) 122.987,88.173 USB3.5@123,88.16
  Bottom Layer w0.254: CN3.29@120.615,103.414 v1(122.987,103.414)
USB_SS_TX_P: CN3.31 USB3.6 | length 35.9
  Bottom Layer w0.254: CN3.31@120.615,103.914 121.618,103.914 121.723,104.019 133.452,104.019 133.731,103.739 133.731,99.263 131.699,97.231 130.2,97.231 127.803,94.834 127.803,87.827 127.332,87.357 126.667,87.357 125.864,88.16 USB3.6@125,88.16
USIM1_CLK: CN3.32 R26.1 | length 30.7
  Top Layer w0.254: v1(130.708,99.898) 130.861,99.898 131.242,99.517 131.242,98.552 131.775,98.019 131.775,96.901 132.842,95.834 133.096,95.834 R26.1@133.096,95.377 ; R26.1@133.006,95.53 ccw(c132.789,95.747) 133.096,95.747 ccw(c133.403,95.747) R26.1@133.186,95.53
  Bottom Layer w0.254: CN3.32@113.065,104.164 112.065,104.164 112.065,100.813 112.547,100.33 127.432,100.33 127.889,100.787 129.819,100.787 v1(130.708,99.898) ; v1@130.531,99.898 ccw(c130.101,99.898) 130.405,100.202 ccw(c130.708,100.505) v1@130.708,100.076
USIM1_DATA: CN3.34 R28.1 | length 46.6
  Top Layer w0.254: v1(133.299,111.582) 135.001,113.284 R28.1@136.525,113.284 ; R28.1@136.372,113.194 ccw(c136.155,112.977) 136.155,113.284 ccw(c136.155,113.591) R28.1@136.372,113.374
  Bottom Layer w0.254: 111.993,104.872 ccw(c112.44,105.319) CN3.34@112.44,104.687 ; CN3.34@113.065,104.664 112.201,104.664 111.735,105.131 111.735,118.948 112.547,119.761 126.848,119.761 129.896,116.713 129.896,114.986 v1(133.299,111.582)
USIM1_DET: CARD1.CD CN3.66 D8.1 | length 73.4
  Top Layer w0.254: v1(136.423,108.255) 136.855,107.823 D8.1@137.744,107.823 138.547,107.02 138.547,94.818 138.074,94.345 138.074,89.637 139.319,89.637 139.319,97.523 139.208,97.635 139.208,98.628 139.512,98.933 143.612,98.933 144.729,97.815 144.729,90.805 144.71,90.805 CARD1.CD@144.71,90.492 ; CARD1.CD@144.57,90.957 ccw(c144.186,91.341) 144.729,91.341 ; 144.729,91.249 ccw(c145.142,91.249) CARD1.CD@144.85,90.957
  Bottom Layer w0.254: CN3.66@113.065,112.664 114.01,112.664 118.237,116.891 121.793,116.891 130.429,108.255 v1(136.423,108.255)
USIM1_RST: CN3.30 R27.1 | length 28.8
  Top Layer w0.254: R27.1@132.588,103.314 cw(c132.588,102.855) 132.913,103.18 ; R27.1@132.588,103.505 v1(133.223,102.87) ; v1@133.045,102.87 ccw(c132.616,102.87) 132.919,103.174 ccw(c133.223,103.477) v1@133.223,103.048
  Bottom Layer w0.254: CN3.30@113.065,103.664 116.122,103.664 119.126,100.66 124.562,100.66 125.044,101.143 130.708,101.143 131.242,100.609 131.242,98.984 132.055,98.831 133.223,100 v1(133.223,102.87)
USIM1_VDD: C27.2 CARD1.C1 CN3.36 D6.1 R25.2 | length 41.2
  Top Layer w0.254: v1(131.75,99.466) 131.966,99.251 ; R25.2@132.331,99.064 ccw(c131.966,98.799) 131.966,99.251 ; R25.2@132.331,99.437 cw(c131.966,99.702) 131.966,99.251 ; v1(136.677,99.416) 134.773,99.416 D6.1@134.544,99.187 133.591,99.187 133.528,99.251 R25.2@132.588,99.251 131.966,99.251 ; v1(139.802,98.425) 142.43,95.39 C27.2@142.43,92.456 142.43,91.5 142.49,91.44 CARD1.C1@142.49,90.492
  Bottom Layer w0.254: CN3.36@113.065,105.164 114.249,105.164 115.375,104.038 116.535,104.038 119.583,100.99 122.885,100.99 123.85,101.956 130.861,101.956 131.75,101.067 v1(131.75,99.466) ; v1(136.677,99.416) 137.668,98.425 v1(139.802,98.425)
USIM2_CLK: CN3.44
USIM2_DATA: CN3.42
USIM2_DET: CN3.40
USIM2_RST: CN3.46
USIM2_VDD: CN3.48
USM1_CLK: 
USM1_RST: 
VBUS: USB1.2 USB1.3 USB1.9 USB1.11 USB3.1 | length 127.5
  Top Layer w0.254: v1(117.729,93.421) 117.729,106.35 115.519,108.56 115.519,113.487 117.653,115.621 117.653,116.637 123.495,122.479 123.495,138.836 124.714,140.056 v1(129.489,140.056) ; v1@129.363,139.93 ccw(c129.06,139.626) 129.06,140.056 ccw(c129.06,140.485) v1@129.363,140.181
  Bottom Layer w0.254: v1(117.729,93.421) 117.729,89.789 122.403,85.115 129.997,85.115 130.5,85.618 USB3.1@130.5,86.66 ; v1(129.489,140.056) 133.69,144.256 136.691,144.256 136.878,144.069 138.303,144.069 141.173,146.939 150.724,146.939 156.083,152.298 159.789,152.298 160.26,151.827 160.477,151.61 USB1.3@160.693,151.61 ; v1@129.489,140.233 ccw(c129.489,140.663) 129.793,140.359 ccw(c130.096,140.056) v1@129.667,140.056 ; 159.69,152.397 ccw(c160.019,152.727) USB1.2@160.322,152.372 ; 159.884,152.203 ccw(c160.198,152.517) USB1.2@160.487,152.179 ; 160.078,152.009 ccw(c160.377,152.308) USB1.2@160.652,151.986 ; 160.123,151.964 cw(c159.77,151.61) USB1.3@160.27,151.61 ; USB1.2@160.588,152.155 cw(c160.336,151.903) 160.693,151.903 cw(c161.05,151.903) USB1.2@160.798,152.155 ; USB1.11@160.693,147.46 161.468,147.46 161.468,148.61 ; USB1.2@160.693,152.26 USB1.3@160.693,151.61 ; USB1.11@161.073,147.355 cw(c161.325,147.102) 161.325,147.46 cw(c161.325,147.817) USB1.11@161.073,147.564 ; USB1.3@160.693,151.61 161.724,151.61 162.687,150.647 162.687,149.022 162.275,148.61 161.468,148.61 ; 161.468,148.61 USB1.9@160.693,148.61 161.468,148.61 ; 160.168,151.919 cw(c159.913,151.664) 160.27,151.613 ccw(c159.913,151.664) 160.168,151.919
VCC_MODULE: C17.2 C18.2 C19.2 C20.2 C21.1 C22.1 C23.2 C24.2 C25.2 C26.2 CN3.2 CN3.4 D4.1 R24.1 U9.5 | length 92.2
  Top Layer w0.254: C20.2@105.346,113.792 C20.2@105.346,113.805 ; U9.5@110.506,102.672 ccw(c110.054,103.125) 110.693,103.125 ; C19.2@110.587,113.476 cw(c110.644,112.943) 111.023,113.322 ; C19.2@110.688,113.927 cw(c109.879,113.117) 111.023,113.117 ; 110.693,112.688 ccw(c109.45,112.688) 110.329,113.567 cw(c108.653,111.891) 111.023,111.891 ; 110.693,113.301 ccw(c110.063,113.301) 110.509,113.747 cw(c109.266,112.504) 111.023,112.504 ; C19.2@110.693,113.363 cw(c110.983,113.363) C19.2@110.778,113.567 ; U9.5@110.828,102.55 110.693,102.55 110.693,105.867 ; C19.2@110.869,113.758 ccw(c111.403,113.702) 111.023,113.322 ; v1@110.898,101.7 ccw(c110.594,102.004) 111.023,102.004 ccw(c111.453,102.004) v1@111.149,101.7 ; U9.5@110.906,102.428 cw(c110.622,102.144) 111.023,102.144 ; U9.5@110.906,102.672 ccw(c110.622,102.956) 111.023,102.956 ; v1(111.023,101.575) 111.023,102.55 111.023,113.322 ; 111.023,102.121 cw(c111.457,102.121) U9.5@111.151,102.428 ; 111.023,102.979 ccw(c111.457,102.979) U9.5@111.151,102.672 ; R24.1@111.887,85.852 113.284,85.852 C22.1@114.808,87.376 114.808,88.214 ; R24.1@112.04,85.762 cw(c112.257,85.545) 112.257,85.852 cw(c112.257,86.159) R24.1@112.04,85.942 ; v1(113.36,90.932) 113.36,90.538 C26.2@114.49,89.408 ; C22.1@114.636,87.987 ccw(c114.572,88.214) 114.808,88.214 ; C22.1@114.98,87.987 cw(c115.044,88.214) 114.808,88.214 ; C23.2@116.141,91.948 C24.2@118.046,91.948 C25.2@118.046,89.408 117.284,88.646 115.252,88.646 C26.2@114.49,89.408 ; C20.2@105.346,113.805 C18.2@105.346,116.332 C20.2@105.346,113.805 ; C20.2@105.346,113.805 105.353,113.798 107.747,111.404 107.747,106.756 108.839,105.664 110.49,105.664 110.693,105.867 ; C19.2@110.553,113.652 110.693,113.513 110.693,109.271 ; C19.2@110.553,113.652 110.553,111.061 C21.1@109.728,110.236 110.693,109.271 ; C19.2@110.553,113.652 C19.2@110.553,113.792 ; C19.2@110.553,113.792 C17.2@110.553,116.332 C19.2@110.553,113.792 ; C19.2@110.553,113.792 111.023,113.322 ; 110.693,105.867 110.693,109.271 ; C26.2@114.49,89.408 114.49,88.532 114.808,88.214
  Bottom Layer w0.254: v1(111.023,101.575) 111.023,97.756 112.116,96.664 ; CN3.4@113.065,97.164 CN3.2@113.065,96.664 112.116,96.664 ; v1(113.36,90.932) D4.1@110.312,93.98 110.312,95.267 111.709,96.664 112.116,96.664
W_DISABLE#: CN3.8
WAKE_ON_WAN#: CN3.23
WAKE_UP_OUT: CN3.38 U1.38 | length 43.6
  Top Layer w0.254: v1(129.388,116.319) 133.833,120.764 133.833,126.492 133.878,126.492 U1.38@133.878,127.346 ; 133.833,126.331 cw(c134.043,126.331) U1.38@133.894,126.48
  Bottom Layer w0.254: CN3.38@113.065,105.664 112.065,105.664 112.065,115.011 115.951,118.897 127.152,118.897 129.388,116.662 v1(129.388,116.319)
WWAN_LED#: CN3.10 R23.2 | length 18
  Bottom Layer w0.254: R23.2@110.934,88.9 111.646,88.189 114.96,88.189 116.205,89.433 116.205,97.815 115.356,98.664 CN3.10@113.065,98.664
X9_SCL: R1.1 U1.58 U7.1 | length 116.3
  Top Layer w0.254: U7.1@106.057,146.946 106.057,146.964 106.045,146.964 106.045,143.535 106.401,143.18 106.832,143.18 107.391,143.739 v1(107.391,146.329) ; v1@131.953,133.655 ccw(c132.444,133.655) 132.097,133.308 ; v1(132.029,133.655) 132.029,133.375 132.842,132.563 137.135,132.563 138.455,133.883 140.03,133.883 140.03,133.846 U1.58@140.878,133.846 142.402,133.846 142.694,134.138 150.977,134.138 164.871,120.244 164.871,115.849 168.275,112.446 168.275,108.991 168.58,108.687 169.012,108.687 169.291,108.966 169.291,114.097 168.282,115.106 168.282,120.921 168.757,120.921 169.222,121.387 169.222,123.234 169.012,123.444 ; v1@132.207,133.655 ccw(c133.311,133.655) 132.53,132.874 ; 139.882,133.883 cw(c139.882,133.7) U1.58@140.012,133.83 ; R1.1@168.656,123.444 169.012,123.444 ; R1.1@168.708,123.57 cw(c168.74,123.225) 168.985,123.47 ; R1.1@168.788,123.337 cw(c168.949,123.089) 169.158,123.298 ; R1.1@168.812,123.357 cw(c169.012,123.172) 169.012,123.444 ; R1.1@168.812,123.531 ccw(c169.012,123.716) 169.012,123.444
  Bottom Layer w0.254: v1(107.391,146.329) 123.241,146.329 123.8,145.771 123.8,136.296 126.441,133.655 v1(132.029,133.655) ; v1@131.903,133.529 ccw(c131.6,133.226) 131.6,133.655 ccw(c131.6,134.084) v1@131.903,133.781
X10_SDA: R2.1 U1.59 U7.16 | length 103.5
  Top Layer w0.254: U7.16@105.544,147.459 105.207,147.459 104.953,147.713 104.953,150.419 113.868,159.334 v1(127.406,159.334) ; v1@141.327,151.182 cw(c141.023,150.879) 141.453,150.879 cw(c141.882,150.879) v1@141.578,151.182 ; v1(141.453,151.308) 141.453,138.811 139.675,137.033 139.675,134.346 U1.59@140.878,134.346 142.363,134.346 142.486,134.468 156.819,134.468 161.62,129.667 161.62,125.862 162.742,124.739 167.107,124.739 168.021,123.825 168.021,122.199 168.3,121.92 ; 168.167,122.053 ccw(c168.361,122.247) R2.1@168.519,122.024 ; R2.1@168.5,121.833 ccw(c168.3,121.648) 168.3,121.92 ; R2.1@168.5,122.007 cw(c168.3,122.192) 168.3,121.92 ; R2.1@168.656,121.92 168.3,121.92
  Bottom Layer w0.254: v1(127.406,159.334) 135.433,151.308 v1(141.453,151.308)
X11: U1.24
X12: U1.25
X17: R15.2 U1.55 | length 32.7
  Top Layer w0.254: U1.55@140.878,132.346 141.896,132.346 143.18,133.629 v1(143.205,133.629) ; U1.55@141.728,132.369 ccw(c141.728,132.831) 142.055,132.504 ; 142.858,133.308 cw(c143.205,132.961) v1@143.205,133.452 ; 142.92,133.369 ccw(c142.659,133.629) v1@143.027,133.629 ; v1@144.654,139.394 ccw(c144.351,139.697) 144.78,139.697 ccw(c145.209,139.697) v1@144.906,139.394 ; R15.2@144.69,150.596 cw(c144.473,150.379) 144.78,150.379 cw(c145.087,150.379) R15.2@144.87,150.596 ; v1(144.78,139.268) R15.2@144.78,150.749
  Bottom Layer w0.254: v1@143.027,133.629 cw(c142.598,133.629) 142.902,133.326 cw(c143.205,133.022) v1@143.205,133.452 ; v1(143.205,133.629) 142.367,132.791 138.786,132.791 138.786,135.204 139.598,136.017 141.529,136.017 v1(144.78,139.268) ; v1@144.602,139.268 cw(c144.173,139.268) 144.476,138.965 cw(c144.78,138.661) v1@144.78,139.09
X18: U1.2
Y9_SCL: CN4.2 R4.1 U1.30 U8.2 | length 107.8
  Top Layer w0.254: v1(127.66,123.088) 127.66,129.921 v1@128.085,130.346 ; v1(127.972,130.346) v1@128.085,130.346 ; v1@128.098,130.22 cw(c128.401,129.917) 128.401,130.346 cw(c128.401,130.775) v1@128.098,130.472 ; U1.30@129.378,130.346 v1@128.085,130.346 ; v1(170.485,116.332) 170.815,116.662 170.815,120.929 ; 173.387,122.015 ccw(c173.551,122.179) R4.1@173.712,122.012 ; R4.1@173.71,121.83 ccw(c173.493,121.613) 173.493,121.92 ccw(c173.493,122.227) R4.1@173.71,122.01 ; R4.1@173.863,121.92 173.482,121.92 173.228,122.174 173.228,123.825 172.872,124.181 171.856,124.181 170.815,123.139 ; 170.815,123.139 170.815,121.031 170.815,123.139
  Bottom Layer w0.254: U8.2@105.74,146.05 106.886,146.05 107.115,145.821 122.923,145.821 123.457,145.288 123.457,134.861 v1(127.972,130.346) ; v1(127.66,123.088) 131.902,123.088 137.409,117.582 CN4.2@170.01,117.582 ; CN4.2@169.866,117.212 cw(c169.52,116.866) 170.01,116.866 ; 170.01,116.642 cw(c170.451,116.642) CN4.2@170.353,117.072 ; CN4.2@170.01,116.961 cw(c170.378,116.961) CN4.2@170.296,117.32 ; 170.078,116.601 ccw(c170.343,116.866) v1@170.439,116.504 ; CN4.2@170.236,117.582 CN4.2@170.01,117.582 ; v1(170.485,116.332) 170.256,116.561 170.119,116.561 170.01,116.67 CN4.2@170.01,117.582
Y9_SDA: CN4.3 R3.1 U1.29 U8.3 | length 125.9
  Top Layer w0.254: v1@122.048,128.624 ccw(c121.745,128.928) 122.174,128.928 ccw(c122.603,128.928) v1@122.3,128.624 ; v1@122.048,138.253 cw(c121.745,137.95) 122.174,137.95 cw(c122.603,137.95) v1@122.3,138.253 ; v1(122.174,128.499) v1(122.174,138.379) ; v1(126.797,123.733) v1(126.797,128.499) ; U1.29@129.378,130.846 128.31,130.846 128.295,130.861 127.127,130.861 126.797,130.531 ; v1@169.494,116.535 169.494,116.561 169.552,116.619 169.552,123.019 171.044,124.511 173.126,124.511 173.812,123.825 173.812,123.444 R3.1@173.863,123.444 ; 173.304,124.333 cw(c172.415,123.444) R3.1@173.672,123.444 ; 173.615,124.022 cw(c173.309,123.715) R3.1@173.688,123.505 ; R3.1@173.71,123.534 ccw(c173.462,123.781) 173.812,123.781 ; 173.738,123.899 cw(c173.283,123.444) R3.1@173.927,123.444 ; 173.812,123.72 ccw(c174.075,123.72) R3.1@173.889,123.534 ; 173.854,123.783 cw(c173.616,123.545) R3.1@173.911,123.383 ; v1(126.797,128.499) 126.797,130.531 ; v1(126.797,128.499) 126.797,130.531
  Bottom Layer w0.254: U8.3@105.74,144.78 106.426,144.78 106.985,145.339 ; U8.3@105.827,144.654 ccw(c106.028,145.184) 106.429,144.783 ; U8.3@105.917,144.891 ccw(c106.181,145.587) 106.707,145.061 ; U8.3@106.007,145.129 ccw(c106.334,145.99) 106.985,145.339 ; v1@122.048,138.505 ccw(c121.683,138.87) 122.199,138.87 ; v1(122.174,128.499) v1(126.797,128.499) ; v1(122.174,138.379) 122.199,138.405 122.199,144.602 121.463,145.339 106.985,145.339 ; 122.199,138.747 ccw(c122.542,138.747) v1@122.3,138.505 ; v1(126.797,123.733) 131.724,123.733 136.814,118.643 172.236,118.643 172.439,118.44 172.439,115.944 ; v1(169.291,116.332) 169.291,115.082 CN4.3@170.236,115.082 171.577,115.082 172.439,115.944 ; CN4.3@171.596,115.605 ccw(c171.619,116.764) 172.439,115.944 ; CN4.3@172.109,115.102 cw(c173.239,115.144) 172.439,115.944
pads on no net: CARD1.8 CARD1.9 CARD1.10 CARD1.11 CARD1.C6 CARD2.0 CN3.76 CN3.77 CN8.3 CN8.4 Q1.1 R32.2 U1.1 U1.26 U1.27 U1.42 U1.43 U1.49 U1.50 U1.56 U1.57 U1.61 U1.62 U3.17 U3.18 U3.19 U3.20 U4.17 U4.18 U4.19 U4.20 U7.3 U7.4 U7.5 U7.6 U7.7 U7.14 U7.15 U8.1 U8.6 U9.4 U11.4 USB1.13 USB1.14 USB2.1 USB2.2 USB3.10 USB3.11
copper on no net: | length 70.2
  Top Layer w0.254: 89.939,68.163 89.94,68.671 ; 92.966,67.405 89.94,68.417 ; 92.969,69.423 89.94,68.417 ; 118.131,68.387 89.94,68.417 ; 154.56,68.347 182.751,68.316 ; 179.722,67.31 182.751,68.316 ; 179.724,69.329 182.751,68.316 ; 182.751,68.062 182.751,68.57

## Polygon pours and split planes (outlines as drawn)
GND on Bottom Layer "Bottom" (solid, remove dead copper, shelved): 74,170 190,170 190,65 74,65
GND on Top Layer "Top" (solid, remove dead copper, shelved): 82,170 190,170 190,70 82,70
GND on Bottom Layer "Bottom" (hatched 90Degree grid 0.762 track 0.254, remove dead copper, pour order 1000): 83.795,169.215 84.557,169.977 193.675,169.977 193.675,68.453 190.525,65.303 186.411,69.418 56.388,69.418 56.388,142.469 83.896,169.977
GND on Top Layer "Top" (hatched 90Degree grid 0.762 track 0.254, remove dead copper, pour order 1001): 81.458,170.764 82.017,170.205 210.668,170.205 210.668,56.947 210.464,56.744 205.664,61.544 72.441,61.544 72.441,161.569 82.042,171.171

## Keep-outs
Keep-Out Layer:
  circle w0.254: c135.609,119.652 r46.229

## Other copper
Top Layer:
  text "92.81166 (mm)" at 118.383,66.57 h3.03 r359.94

## Silkscreen, mask and mechanical layers (free items; w line width, h text height)
Mechanical 1:
  lines w0.254: 111.506,90.424 111.506,122.682 161.798,122.682 161.798,90.678 161.544,90.424 111.506,90.424